# Allegro board 1103400-C000PC024-HI3521DV200-CORE-A01-pcb166.brd (continued)
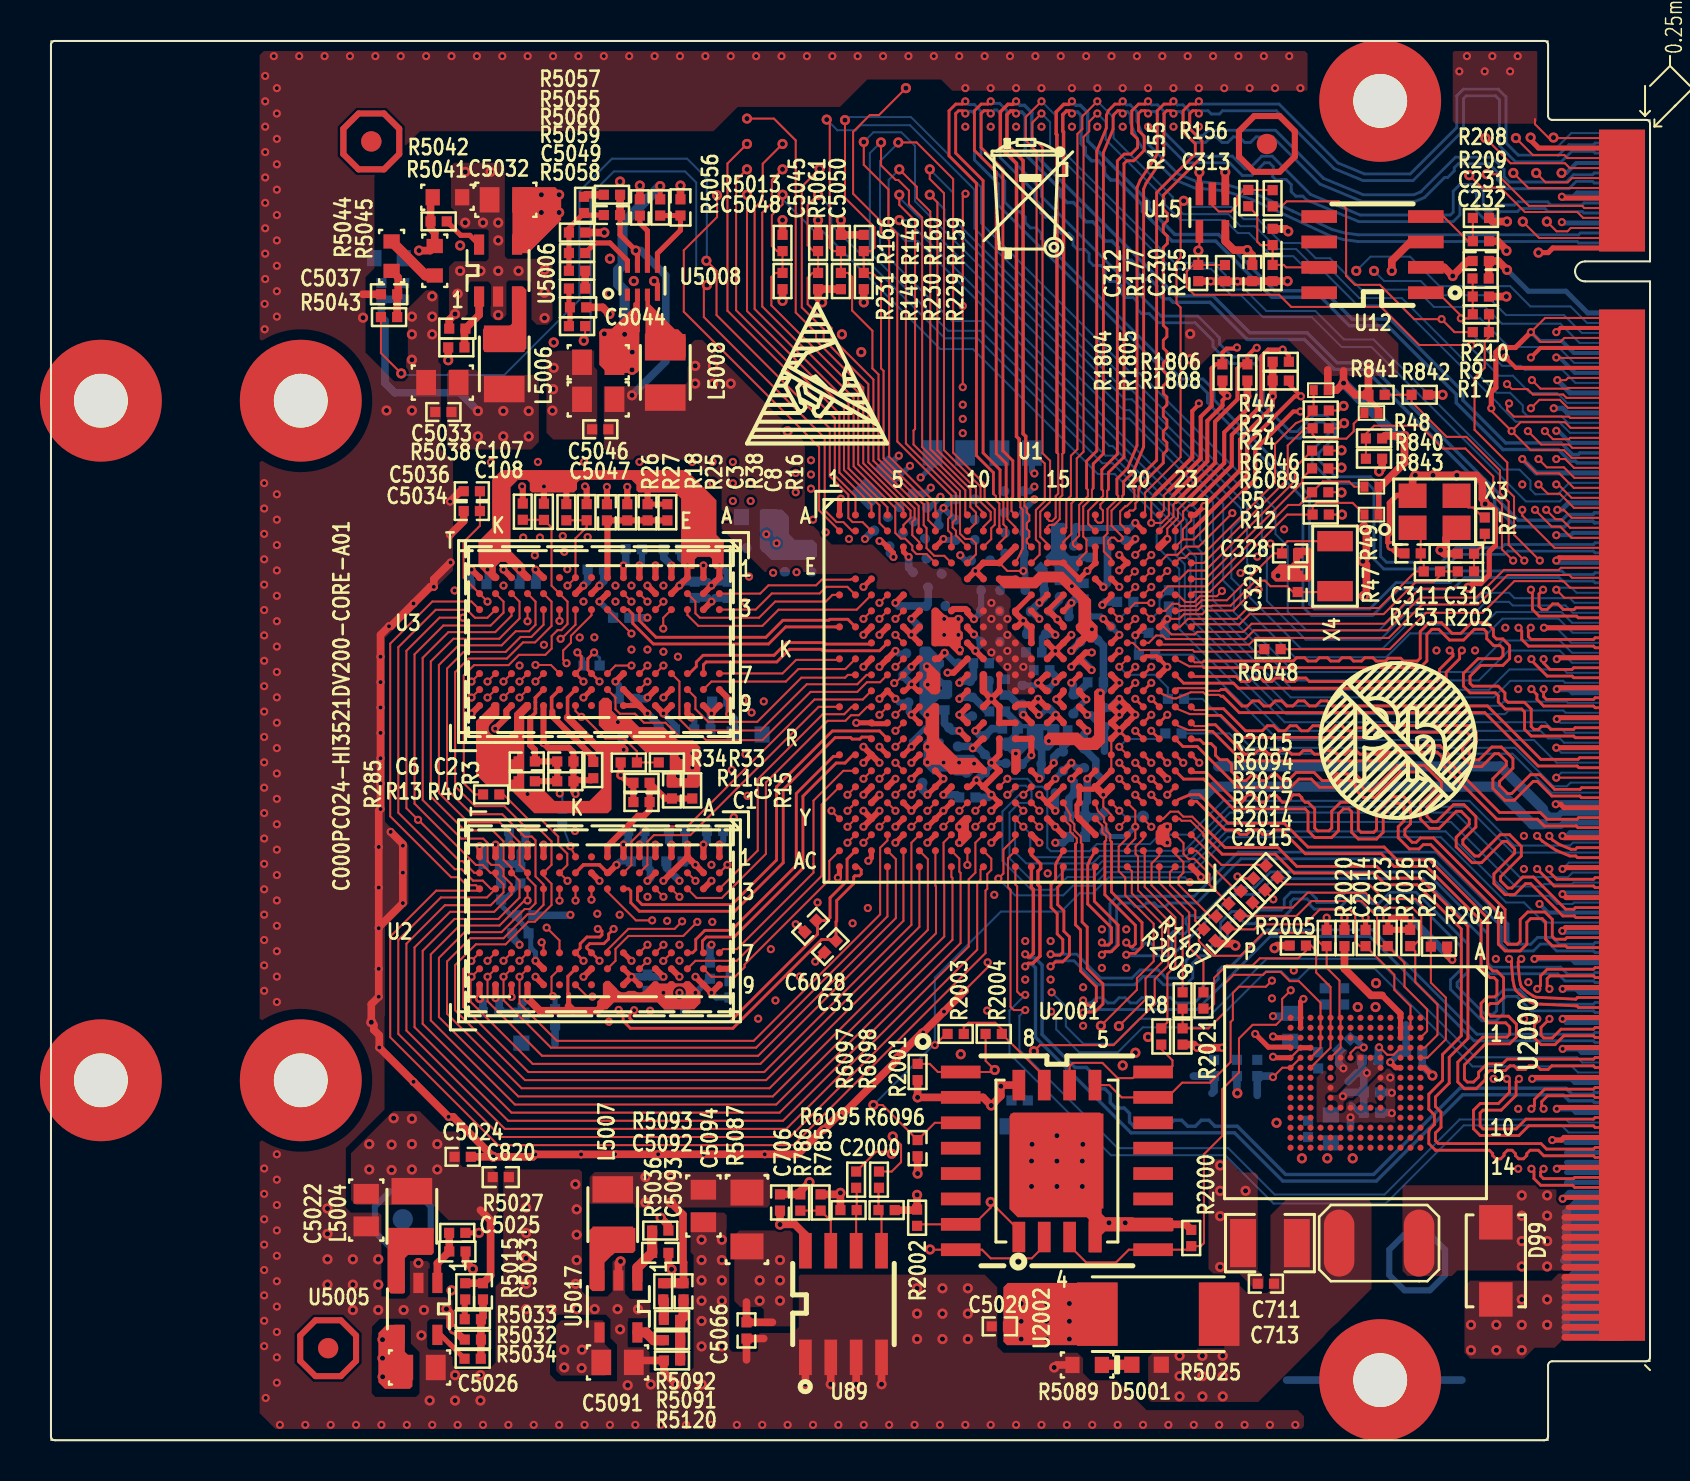
[diagram p0: board, top side]
## Routing (per net, layer and track width the routed paths; a pad name or vN(x,y) marks a point on that pad's centre or on a via; arc(x,y) is an arc through that point) (continued)
  GND02 w0.381: v2(16.79,51.52) 16.3,52.01 U102.G2 ; U102.G1 12.5,14.08 ; U102.G1 12.5,22.49 ; U102.G1 U102.G5 ; U102.G1 17.08,18.01 ; U102.G3 62.05,3.01 ; U102.G3 70.63,3.01 ; U102.G3 66.5,7.33 ; U102.G2 12.5,47.79 ; U102.G2 12.5,56.37
  GND02 w0.508: U102.G2 U102.G6 ; 62.54,67.01 U102.G4 ; U102.G4 70.27,67.01 ; U102.G4 66.5,63.05
  ART03 w0.102: v1(74.04,55.44) 74.04,55.45 73.09,56.4 71.65,56.4 71.01,57.04 61.73,57.04 59.85,55.16 59.85,53.59 58.85,52.59 v1(58.85,52.26) ; v1(75.18,51.63) 75.36,51.81 v1(75.36,53.04) 75.34,53.04 74.61,53.77 73.43,53.77 ; 61.05,53.97 61.05,54.76 62.39,56.1 68.99,56.1 69.79,55.3 71.22,55.3 71.77,54.76 72.85,54.76 73.43,54.18 73.43,53.77 ; 61.05,53.97 59.85,52.78 v1(59.85,52.23) 58.88,52.23 v1(58.85,52.26) ; 61.05,53.97 62.04,53.97 63.23,55.16 68.37,55.16 69.76,53.77 73.43,53.77 ; v1(58.85,52.26) 58.47,51.88 v1(57.43,51.88) 58.91,53.36 58.91,55.58 61.32,57.99 v2(61.87,57.99) 69.16,57.99 69.93,58.76 72.64,58.76 v2(72.85,58.56) ; 69.85,52.54 v2(69.62,52.31) 67.84,54.09 63.73,54.09 62.03,52.38 62.03,51.95 v1(62.51,51.47) 63.19,51.47 63.98,52.26 68.27,52.26 69.15,51.38 71.81,51.38 v1(72.06,51.63) 72.31,51.38 73.79,51.38 v1(74.04,51.63) 74.04,51.7 73.33,52.41 72.71,52.41 72.58,52.54 69.85,52.54
  BOTTOM w0.102: v1(75.62,28.58) 75.94,28.9 U102.135 ; v2(74.03,65.18) 74.52,64.68 75.34,64.68 76.06,65.4 U102.1 ; v1(75.34,36.08) 75.52,35.9 U102.107 ; U102.91 76.06,39.9 75.31,40.65 v1(74.69,40.65) ; v1(75.31,34.65) 75.56,34.4 U102.113 ; v1(75.31,42.55) 75.41,42.66 76.07,42.66 76.33,42.4 U102.81 ; U102.117 75.56,33.4 v1(75.31,33.15)
  BOTTOM w0.203: v1(75.31,50.5) 75.41,50.5 76.02,49.9 U102.51 ; U102.69 76.15,45.4 76.03,45.28 v1(75.31,45.28) ; v1(75.62,25.49) 75.7,25.4 U102.149 ; U102.75 75.42,43.9 v1(75.31,44.01) ; v1(75.62,27.32) 75.7,27.4 U102.141 ; v1(74.47,26.83) 74.9,26.4 U102.145 ; v1(75.31,54.17) 75.48,54.17 76.25,53.4 U102.37 ; U102.33 76.19,54.4 75.59,55 74.48,55 v1(74.04,55.44) ; U102.7 76.31,63.9 75.82,63.4 v2(75.58,63.4)
  BOTTOM w0.254: v1(75.34,37.58) 75.37,37.55 75.97,37.55 76.12,37.4 U102.101 ; U102.129 76.01,30.4 75.85,30.24 v1(75.62,30.24) ; U102.167 75.81,20.9 v1(75.63,21.08) ; U102.197 75.82,13.4 ; U102.185 76.29,16.4 76.11,16.58 v1(75.34,16.58) ; C882.2 49.54,36.29 v1(49.42,36.29) ; U102.193 75.82,14.4 ; U102.173 76.59,19.4 76.41,19.58 v1(75.63,19.58) ; C815.2 42.7,48.48 v1(42.98,48.75) ; C881.2 47.05,33.99 v1(47.05,33.89) 47.05,33.72 C834.2 ; v1(45.45,36.29) 45.51,36.24 C887.2 ; U102.161 76.49,22.4 76.31,22.58 v1(75.63,22.58) ; v1(75.18,51.63) 75.63,51.63 75.86,51.4 U102.45 ; C813.2 44.11,48.77 v1(43.51,48.17) ; U102.57 74.3,48.4 v1(73.61,49.09) ; v1(46.25,39.49) 46.53,39.78 C845.2 46.53,39.96 v1(46.18,40.32) ; U102.155 76.26,23.9 76.08,24.08 v1(74.22,24.08) ; v1(53.45,40.29) 53.04,40.7 C825.2 52.65,41.09 v1(52.65,41.09) ; v1(43.05,34.69) 43.05,34.96 43.74,35.64 C879.2 ; U102.19 75.63,60.9 v1(75.59,60.94) ; v1(54.25,30.69) 53.77,30.21 52.97,30.21 C885.2 ; v1(74.11,18.08) 76.06,18.08 76.24,17.9 U102.179 ; v1(75.29,31.82) 75.36,31.9 U102.123 ; U102.25 76.88,56.4 75.79,57.49 73.91,57.49 v2(72.85,58.56) ; U102.191 75.81,14.9 75.69,15.02 v1(75.11,15.02) ; U102.13 76.36,62.4 76.17,62.21 v1(75.59,62.21) ; U102.201 75.95,12.4 v1(75.63,12.08) ; U102.195 75.82,13.9 ; U102.41 76,52.4 v1(75.36,53.04) ; v1(75.36,46.55) 75.57,46.55 75.92,46.9 U102.63 ; U102.199 75.82,12.9
  BOTTOM w0.305: v1(49.38,37.89) 49.26,37.77 C808.2 ; v1(51.8,37.07) 51.15,36.42 C883.2 ; v1(52.65,41.09) 52.53,41.22 C811.2 ; v1(44.71,39.4) 45.24,38.86 C862.2 ; v1(46.18,41.08) 46.52,41.43 C847.2 46.54,41.5 C846.2 ; C823.2 51.18,45.53 C824.2 54,45.64 v1(54.25,45.89) ; C113.2 33.28,22.15 v1(33.04,22.39) ; v1(47.05,33.89) 47.07,33.88 C858.2 ; v1(49.05,34.27) 48.6,33.83 C807.2 ; C844.2 44.4,46.39 v1(44.65,46.64) ; v1(42.25,39.49) 42.37,39.37 C851.2 ; v1(50.25,33.09) 50.25,33.11 C809.2 51.03,33.89 v1(51.05,33.89) 51.29,33.65 C802.2 ; v1(31.44,22.39) 31.73,22.1 C16.2 ; C875.2 45.75,44.02 v1(45.49,44.28) ; C829.2 45.08,47.08 v1(44.65,46.64) ; v1(44.02,47.66) 43.71,47.36 C843.2 ; v1(42.25,37.09) 42.43,36.92 C836.2 42.92,36.43 v1(43.05,36.29) ; C6030.2 43.94,46.65 v1(44.5,47.2) ; v1(42.42,49.26) 41.96,48.81 C815.2 ; C868.2 48.97,47.48 v1(49.2,47.71) ; C871.2 48.68,45.39 C830.2 ; C870.2 44.7,45.04 v1(44.65,45.09) ; v1(49.2,47.08) 48.66,46.54 C869.2 ; C814.2 48.82,40.83 v1(48.64,41) ; C826.2 50.47,41.99 C6016.2 49.95,41.47 v1(50.35,41.07) ; v1(55.85,41.09) 55.93,41.18 C6008.2 ; v1(44.65,46.64) 45.24,46.06 C828.2 ; v1(48.65,43.49) 48.75,43.4 C806.2 ; C810.2 49.08,48.49 v1(49.2,48.37)
  BOTTOM w0.343: U102.221 75.74,7.4 ; U102.217 76.24,8.4 75.74,7.9 U102.219 ; U102.227 75.74,5.9 ; U102.225 75.74,6.4 ; U102.223 75.74,6.9 ; U102.229 75.74,5.4
  BOTTOM w0.381: v1(43.85,32.29) 43.61,32.53 C874.2 ; v1(52.6,41.79) 52.75,41.94 R834.2 ; C99.2 29.82,28.71 30,28.53 30,28.14 v1(29.84,27.99) ; C22.2 28.88,30.04 v1(28.64,29.8) ; v1(43.05,37.82) 42.63,38.23 C835.2 42.63,38.28 v1(43.05,38.69) ; C801.2 50.25,31.5 v1(50.25,31.49) ; v1(30.64,23.19) 29.95,23.19 C98.2 29.74,23.19 v1(29.04,23.19) ; C23.2 55.73,40.97 v1(55.85,41.09) ; v1(29.84,36.36) 30.41,35.79 C20.2 30.08,35.23 C10.2 ; 61.82,3.01 U102.G3 70.59,3.01 ; C830.2 48.68,43.52 v1(48.65,43.49) ; C116.2 30.79,28.64 v1(31.44,27.99) ; R2019.2 64.43,18.84 v1(64.66,18.61) ; R6.1 46.92,32.16 v1(47.05,32.29) ; C871.2 48.68,46.39 C869.2 ; C100.2 21.65,29.53 v1(21.44,29.73) ; v1(21.04,43.56) 20.98,43.5 C96.2 ; C21.2 33.22,42.14 v1(33.04,41.96) 32.86,42.14 C9.2 ; C13.2 29.83,41.15 v1(29.84,41.16) ; v1(43.05,40.29) 43.4,40.64 C816.2 43.4,40.75 v1(43.05,41.09) ; v1(61.14,18.17) 61.09,18.22 C2012.2 60.35,17.26 ; v1(28.64,43.77) 28.76,43.88 C18.2 ; C97.2 30.66,44.15 v1(31.04,43.77) ; v1(33.04,24.79) 32.97,24.72 C112.2 ; v1(46.3,33.03) 46.69,33.41 C834.2 ; C863.2 46.03,34.71 v1(46.12,34.62) 46.41,34.62 C881.2 ; v1(50.27,36.29) 49.95,36.62 C882.2 ; v1(67.08,17.38) 67.06,17.41 C2007.2 ; R39.2 25.97,26.27 v1(25.99,26.29) ; C19.2 21.61,21.93 v3(21.44,22.1) ; v1(47.05,37.09) 46.93,37.21 C800.2 ; C2013.2 68.6,18.75 v2(69.11,18.25) ; R4.1 25.22,19.82 ; C15.2 32.82,29.98 v1(32.64,29.8) ; C14.2 30.92,29.92 v1(31.04,29.8) ; v1(66.45,19.66) 66.41,19.62 C2004.2 ; v1(61.14,21.22) 61.86,21.22 C2008.2 ; v1(42.15,44.19) 41.96,44.38 C6029.2 ; C842.2 41.15,45.52 v1(40.72,45.09) ; C818.2 43.89,41.83 C817.2 42.4,41.74 v1(42.25,41.89) ; v1(27.44,42.76) 27.66,42.98 C115.2 ; C804.2 54.17,45.02 v1(54.25,45.09) ; C4.2 23.08,25.15 v1(23.44,24.79) ; C114.2 22.92,29.93 v1(23.04,29.8) ; C2011.2 59.33,17.38 v2(59.35,17.36) ; C2006.2 67.06,16.39 v1(67.08,16.37) ; C803.2 51.59,39.01 v1(52.06,38.53) ; v1(29.84,37.16) 29.78,37.1 C12.2 ; C11.2 33.08,36.39 v1(33.04,36.36) 33,36.31 C101.2 ; v1(42.91,44.19) 42.91,43.66 C848.2 ; C884.2 53,36.65 v1(53.45,37.09) ; v1(24.24,43.56) 24.26,43.54 C17.2 ; 65.02,15.61 v1(65.02,16.15)
  vias: v1(10.69,56.85) v1(10.69,55.58) v1(10.67,47.89) v1(10.67,46.62) v1(10.67,45.35) v1(10.67,44.08) v1(10.67,42.81) v1(10.67,41.54) v1(10.67,40.27) v1(10.67,39) v1(10.67,37.73) v1(10.67,36.46) v1(10.67,35.19) v1(10.67,33.92) v1(10.67,32.65) v1(10.67,31.38) v1(10.67,30.11) v1(10.67,28.84) v1(10.67,27.57) v1(10.67,26.3) v1(10.67,25.03) v1(10.67,23.76) v1(10.67,22.49) v1(10.67,13.6) v1(10.67,12.33) v1(10.67,11.06) v1(10.67,9.79) v1(10.67,8.52) v1(10.67,7.25) v1(10.67,5.98) v1(10.67,4.71) v1(10.72,68.26) v1(10.72,66.99) v1(10.72,65.72) v1(10.72,64.45) v1(10.72,63.18) v1(10.72,61.91) v1(10.72,60.64) v1(10.72,59.37) v1(10.72,58.1) v1(10.74,2.12) v1(11.15,69.25) v1(11.3,67.65) v1(11.3,66.38) v1(11.3,65.11) v1(11.3,63.84) v1(11.3,62.57) v1(11.3,61.3) v1(11.3,60.03) v1(11.3,58.76) v1(11.3,57.49) v1(11.3,56.22) v1(11.3,47.33) v1(11.3,46.06) v1(11.3,44.79) v1(11.3,43.52) v1(11.3,42.25) v1(11.3,40.98) v1(11.3,39.71) v1(11.3,38.44) v1(11.3,37.17) v1(11.3,35.9) v1(11.3,34.63) v1(11.3,33.36) v1(11.3,32.09) v1(11.3,30.82) v1(11.3,29.55) v1(11.3,28.28) v1(11.3,27.01) v1(11.3,25.74) v1(11.3,24.47) v1(11.3,23.2) v1(11.3,21.93) v1(11.3,14.31) v1(11.3,13.04) v1(11.3,11.77) v1(11.3,10.5) v1(11.3,9.23) v1(11.3,7.96) v1(11.3,6.69) v1(11.3,5.42) v1(11.3,4.15) v1(11.3,2.88) v1(11.45,0.77) v1(12.42,69.25) v1(12.72,0.77) v1(13.69,69.25) v1(13.99,0.77) v1(14.96,69.25) v1(15.26,0.77) v1(16.23,69.25) v1(16.53,0.77) v1(17.5,69.25) v1(17.8,0.77) v1(18.77,69.25) v1(19.07,0.77) v1(20.04,69.25) v1(20.19,42.51) v1(20.34,0.77) v1(21.31,69.25) v1(21.61,0.77) v1(22.01,48.94) v1(22.58,69.25) v1(22.64,42.76) v1(22.88,0.77) v1(23.44,38.76) v1(23.63,45.16) v1(23.85,69.25) v1(24.21,44.27) v1(24.15,0.77) v1(24.36,48.95) v1(24.46,45.16) v1(24.66,39.8) v1(25.12,69.25) v1(25.42,0.77) v1(25.61,45.24) v1(25.68,44.45) v1(25.83,43.58) v1(26.22,30.48) v1(26.39,69.25) v1(26.45,40.16) v1(26.67,48.95) v1(26.64,41.96) v1(26.69,0.77) v1(26.85,45.19) v1(27.19,40.17) v1(27.33,26.34) v1(27.66,69.25) v1(27.91,20.94) v1(27.96,0.77) v1(28.24,42.76) v1(28.24,41.96) v1(28.45,26.29) v1(28.93,69.25) v1(29.04,42.76) v1(29.04,39.56) v1(29.23,0.77) v1(29.44,48.95) v1(29.84,39.56) v1(29.84,27.19) v1(29.98,21.49) v1(30.2,69.25) v1(30.5,0.77) v1(30.64,42.76) v1(30.64,39.45) v1(30.83,25.99) v1(31.37,39.2) v1(31.47,69.25) v1(31.44,24.79) v1(31.44,23.99) v1(31.77,0.77) v1(32.08,48.95) v1(32.74,69.25) v1(33.1,48.95) v1(33.1,47.88) v1(33.04,28.79) v1(33.09,25.94) v1(33.04,0.77) v1(33.81,46.2) v1(34.01,69.25) v1(34.06,33.54) v1(34.12,48.95) v1(34.12,47.88) v1(34.12,46.99) v1(34.16,31.17) v1(34.31,0.77) v1(34.65,37.02) v1(34.72,41.94) v1(34.75,34.32) v1(34.85,32.24) v1(35.01,47.88) v1(35.01,46.99) v1(34.92,43.21) v1(35.05,36.41) v1(35.28,69.25) v1(35.38,21.09) v1(35.58,0.77) v1(35.66,36.97) v1(36.02,24.57) v1(36.13,43.4) v1(36.25,22.01) v1(36.55,69.25) v1(36.85,0.77) v1(37.26,48.4) v1(37.26,47.43) v1(37.3,43.43) v1(37.46,23.2) v1(37.82,69.25) v1(38.12,46.06) v1(38.12,0.77) v1(38.35,26.91) v1(38.76,45.42) v1(39.09,69.25) v1(39.39,0.77) v1(39.92,45.09) v1(40.11,25.87) v1(40.36,69.25) v1(40.66,0.77) v1(40.87,26.63) v1(41.63,69.25) v1(41.93,0.77) v1(42.9,69.25) v1(43.2,0.77) v1(44.17,69.25) v1(44.47,0.77) v1(45.44,69.25) v1(45.45,30.69) v1(45.45,29.89) v1(45.74,67.65) v1(45.74,65.72) v1(45.74,0.77) v1(46.71,69.25) v1(46.84,21.5) v1(47.01,67.65) v1(47.01,65.72) v1(47.01,0.77) v1(47.19,27.29) v1(47.98,69.25) v1(48.28,67.65) v1(48.28,65.72) v1(48.28,0.77) v1(48.74,24.98) v1(48.74,23.05) v1(49.25,69.25) v1(49.55,67.65) v1(49.55,65.72) v1(49.55,0.77) v1(49.87,28.36) v1(50.01,24.98) v1(50.01,23.05) v1(50.52,69.25) v1(50.82,0.77) v1(51.08,67.65) v1(51.08,65.72) v1(51.64,22.67) v1(51.64,20.74) v1(51.79,69.25) v1(52.09,0.77) v1(52.35,67.65) v1(52.35,65.72) v1(52.58,25.56) v1(52.58,23.63) v1(53.06,69.25) v1(53.36,0.77) v1(53.62,67.65) v1(53.62,65.72) v1(53.8,25.56) v1(53.8,23.63) v1(54.33,69.25) v1(54.63,0.77) v1(54.89,67.65) v1(54.89,65.72) v1(55.6,69.25) v1(55.85,30.71) v1(55.85,29.89) v1(55.9,0.77) v1(56.16,67.65) v1(56.16,65.72) v1(56.87,69.25) v1(57.17,0.77) v1(57.43,67.65) v1(57.43,65.72) v1(58.14,69.25) v1(58.44,0.77) v1(58.7,67.65) v1(59.41,69.25) v1(59.51,43.39) v1(59.71,0.77) v1(59.97,67.65) v1(60.35,44.2) v1(60.68,69.25) v1(61.01,44.87) v1(60.98,0.77) v1(61.09,22.11) v1(61.24,67.65) v1(61.7,45.58) v1(61.95,69.25) v1(62.18,23.5) v1(62.25,0.77) v1(62.51,67.65) v1(67,18.14) v1(69.32,39.51) v1(71.25,39.51) v1(72.17,18.08) v1(72.29,24.08) v1(72.76,40.65) v1(73.41,39.08) v1(73.41,37.58) v1(73.41,16.58) v1(73.41,13.58) v1(73.61,47.82) v1(73.69,30.24) v1(73.69,28.58) v1(73.7,21.08) v1(73.91,22.92) v2(13.83,11.6) v2(13.83,10.33) v2(13.83,9.06) v2(13.83,7.79) v2(15.1,9.06) v2(15.1,7.79) v2(15.1,6.52) v2(15.62,56.16) v2(16.37,9.06) v2(16.37,7.79) v2(16.37,6.52) v2(17.64,6.52) v2(18.06,56.22) v2(18.06,55.33) v2(18.06,54.06) v2(18.06,51.52) v2(18.38,8.87) v2(18.53,5.25) v2(18.66,6.52) v2(18.95,1.99) v2(19.07,57.24) v2(19.07,56.22) v2(19.07,55.33) v2(20.04,7.5) v2(20.22,3.26) v2(20.22,1.99) v2(20.34,57.36) v2(20.47,59.78) v2(20.47,58.51) v2(20.73,63.46) v2(20.73,60.92) v2(21.49,58.51) v2(21.49,3.26) v2(21.49,1.99) v2(21.61,60.92) v2(22,63.46) v2(22.38,60.92) v2(22.38,60.03) v2(22.38,58.51) v2(22.38,56.3) v2(23.39,58.51) v2(23.77,11.64) v2(23.77,10.37) v2(23.77,9.1) v2(23.77,7.83) v2(23.77,6.56) v2(24.7,58.56) v2(24.7,57.42) v2(24.7,56.15) v2(25.09,51.52) v2(25.04,6.56) v2(25.15,54.93) v2(25.15,53.66) v2(25.12,52.59) v2(26.24,12.81) v2(26.3,11.55) v2(26.3,10.28) v2(26.3,9.01) v2(26.25,7.82) v2(26.31,6.56) v2(27.2,6.56) v2(27.96,59.11) v2(27.94,57.36) v2(28.35,6.56) v2(28.47,62.98) v2(28.47,5.55) v2(28.85,2.75) v2(29.16,58) v2(29.37,6.55) v2(30.01,2.79) v2(32.55,10.03) v2(32.55,9.02) v2(32.55,8) v2(32.55,6.98) v2(32.55,5.97) v2(32.55,4.7) v2(32.55,2.79) v2(33.57,10.03) v2(33.57,9.02) v2(33.57,8) v2(33.57,6.98) v2(33.57,4.7) v2(36.85,50.48) v2(39.57,55.33) v2(40.54,54.44) v2(43.33,7.6) v2(43.33,6.33) v2(43.33,5.06) v2(44.6,7.6) v2(44.6,6.33) v2(44.6,5.06) v2(45.52,19.31) v2(45.87,7.6) v2(45.87,6.33) v2(45.87,5.06) v2(49.08,14.81) v2(49.06,13.97) v2(49.06,12.7) v2(50.33,15.24) v2(50.33,13.97) v2(50.33,12.7) v2(51.6,13.97) v2(51.6,12.7) v2(51.62,14.81) v2(52.93,10.88) v2(53.75,10.88) v2(58.5,13.75) v2(58.5,12.48) v2(58.5,11.21) v2(58.5,8.67) v2(59.77,12.48) v2(61.39,43.25) v2(61.32,15.88) v2(62.59,14.11) v2(63.86,14.11) v2(65.13,14.11) v2(66.29,22.87) v2(71.04,5.77) v2(71.04,4.5) v2(72.31,5.77) v2(72.31,4.5) v2(73.58,7.04) v2(73.58,5.77) v2(73.58,4.5) v2(74.85,7.04) v2(74.85,5.77)
VBAT: length 25.6
  BOTTOM w0.102: R2.2 57.12,39.3 61.39,35.04 74.19,35.04 75.33,33.9 U102.115
VCCQ_EMMC: length 16.6
  TOP w0.102: U2000.P5 62.02,19.14 U2000.N4
  TOP w0.254: v1(65.77,26.15) R2023.1 ; v1(67,18.91) 67.28,18.64 U2000.C6 ; R2026.1 66.88,26.07 v1(66.8,26.15) ; U2000.P3 61.2,20.14 v1(61.14,20.2) ; v1(61.14,19.19) 61.19,19.14 U2000.P5 ; U2000.M4 U2000.N4 ; v1(63.82,26.15) R2020.1 ; v1(68,26.15) R2025.1
  TOP w0.305: v1(66.8,26.15) v1(68,26.15) ; R2025.1 R2026.1
  TOP w0.381: v1(58.6,19.64) v1(57.33,19.64) 57.17,19.8 R2021.1 ; R2024.1 69.85,24.3 v1(70.11,24.04)
  BOTTOM w0.305: v1(67,18.91) 67.53,19.44 C2013.1
  BOTTOM w0.381: v1(68,26.15) v1(70.11,24.04) ; C2013.1 67.79,20.79
  vias: v2(65.38,21.68) v2(66.27,21.68)
VDDI: length 6.1
  TOP w0.254: U2000.C1 U2000.C2 U2000.C3
  TOP w0.305: U2000.C1 67.52,21.34 66.6,22.26
  TOP w0.381: C2014.1 64.71,23.59 66.04,22.26 66.6,22.26
VDDIO_CK_DDR: length 2.1
  TOP w0.305: v1(45.45,35.49) U1.R9
  BOTTOM w0.381: LB812.2 44.7,35.86 C879.1 45.07,35.49 v1(45.45,35.49)
VDDIO_DDR: length 71.6
  TOP w0.152: U2.K8 25.86,23.21 25.86,22.34 25.9,22.31
  TOP w0.178: 25.85,36.16 25.85,37.16 U3.K8 ; U2.K2 26.64,28.79 27.43,28.79 27.44,28.79 U2.H2
  TOP w0.254: v1(29.04,23.99) 28.64,24.39 U2.G7 ; R16.1 29.85,46.83 C8.1 ; 25.9,22.31 25.9,21.72
  TOP w0.305: U3.F1 29.44,43.77 v1(29.44,43.77) ; U2.R1 v1(22.24,29.8) ; v1(23.85,22.11) 23.84,22.11 U2.N9 ; v1(31.84,29.8) 31.84,29.8 U2.C1 ; U2.C1 U2.D2 31.04,28.39 31.04,28.39 v1(30.64,27.99) ; U2.C1 31.85,29.19 v1(32.24,28.79) 32.64,28.39 U2.B2 ; U3.B2 v1(33.04,42.76) U3.A1 v1(33.44,43.77) ; v1(27.44,41.96) 27.84,42.36 U3.H2 ; C8.1 v1(29.85,47.7) ; U2.R9 v1(22.24,22.13) ; v1(29.44,29.8) 29.44,29.8 U2.F1 ; R27.1 v1(24.66,47.72) ; U3.D2 v1(31.44,42.76) 31.84,43.16 U3.C1 31.84,43.77 v1(31.84,43.77) ; R18.1 25.79,47.65 ; v1(32.03,36.16) 31.84,36.35 U3.C9 ; U2.H2 27.89,28.39 v1(28.29,28.79) ; v1(33.94,36.33) 33.94,37.07 U3.A8 ; U2.A8 v1(34.01,23.59) ; U3.K2 26.24,42.36 v1(26.64,42.76) ; v1(23.84,29.8) 23.84,29.8 U2.N1 ; U3.G7 v1(28.24,37.96) ; U2.A1 v1(33.44,29.8) ; U3.E9 30.24,36.76 v1(30.64,36.36) U3.D9
  TOP w0.381: R5015.1 C5023.1 22,8.24 22,11.01 21.49,11.52 ; 25.9,21.72 26.12,21.49 ; 26.12,21.49 24.46,21.49 v1(23.85,22.11) ; 26.12,21.49 27.35,21.49 27.58,21.73 ; 27.76,34.6 27.4,34.6 25.85,36.16
  ART03 w0.381: v1(23.84,29.8) v1(23.84,32.33)
  BOTTOM w0.305: v1(28.36,35.93) 28.6,35.69 C10.1 28.6,34.6 v3(28.66,34.55) ; v1(32.24,22.39) 32.94,23.09 C112.1 ; C101.1 32.19,36.01 v1(32.03,36.16) ; C20.1 31.22,35.78 v1(30.64,36.36) ; C22.1 29.7,30.05 v1(29.44,29.8) ; C17.1 23.45,43.55 v1(23.44,43.56) ; C96.1 21.84,42.88 v1(21.84,43.56) ; C99.1 28.46,28.96 v1(28.29,28.79) ; v1(28.24,37.96) 28.41,37.79 C12.1 ; C14.1 31.73,29.91 v1(31.84,29.8) ; v1(33.94,36.33) 33.89,36.38 C11.1 ; C18.1 29.57,43.9 v1(29.44,43.77) ; C116.1 32.08,28.96 v1(32.24,28.79) ; v1(33.44,29.8) 33.63,29.99 C15.1 ; v1(31.84,43.77) 31.47,44.14 C97.1 ; v1(27.44,41.96) 28.12,41.28 C13.1
  BOTTOM w0.381: C98.1 30.55,22.48 v1(30.64,22.39) 30.92,22.12 C16.1 ; v1(22.24,29.8) 22.46,29.58 C100.1 ; v1(31.44,42.76) 31.64,42.95 C9.1 32.85,42.95 v1(33.04,42.76) 33.24,42.95 C21.1 33.86,43.35 v1(33.44,43.77) ; C100.1 23.33,28.83 C7.1 23.49,29.44 v1(23.84,29.8) 23.73,29.91 C114.1 ; C100.1 22.46,27.93 R14.1 ; v1(23.85,22.11) 23.54,21.8 C109.1 23.29,21.27 23.16,21.4 22.44,21.4 C19.1 22.42,21.94 v1(22.24,22.13) ; v1(26.64,42.76) 26.85,42.97 C115.1 ; C113.1 33.94,23.52 v1(34.01,23.59) ; C819.1 34.18,36.09 v1(33.94,36.33)
  vias: v1(35.79,45.33) v1(36.3,44.88) v1(43.82,38.72) v1(43.87,37.8) v1(43.85,36.29) v1(43.85,34.69) v1(43.85,33.92) v1(44.66,33.9) v1(45.43,33.9) v1(46.18,33.85) v2(15.93,14.82) v2(15.93,13.55) v2(17.04,14.79) v2(17.04,13.52) v2(17.14,16.11) v2(18.06,16.09) v2(18.06,14.82) v2(18.06,13.55) v2(19.33,14.82) v2(19.33,13.55) v3(32.08,34.37) v3(32.08,33.66)
VIN_3.3V: length 40.2
  TOP w0.254: U102.204 75.9,11.65
  TOP w0.343: 75.74,8.65 U102.216 ; 75.74,9.65 U102.212 ; 75.74,10.15 U102.210 ; 75.74,11.15 U102.206 ; 75.74,9.15 U102.214 ; 75.74,10.65 U102.208
  BOTTOM w0.254: 75.74,11.4 76.24,11.9 U102.203
  BOTTOM w0.305: U102.211 75.74,9.9 ; U102.215 75.74,8.9 75.64,9 ; 75.74,11.4 U102.205 ; U102.213 75.74,9.4 ; U102.209 75.74,10.4 ; U102.207 75.74,10.9
  vias: v2(73.58,12.25) v2(73.58,11.24) v2(73.58,9.97) v2(73.58,8.7) v2(74.85,12.25) v2(74.85,11.24) v2(74.85,9.97) v2(74.85,8.7)
CVBS: length 28.4
  TOP w0.102: v1(72.95,51.88) 72.85,51.78 72.85,51.55 73.19,51.22 75.95,51.22 76.01,51.15 U102.46
  TOP w0.203: R1808.1 61.93,52.83 v1(62.53,52.23) 62.23,52.23 59.84,49.84 59.84,48.29 U1.B23
  ART03 w0.203: v1(72.95,51.88) 72.93,51.85 72.59,51.85 72.38,52.07 71.36,52.07 71.12,51.82 69.34,51.82 67.56,53.6 64.13,53.6 62.76,52.23 v1(62.53,52.23)
DDR_A0: length 61.1
  TOP w0.102: U3.N3 v1(23.84,40.98) ; U1.AA8 44.66,29.9 44.66,27.97 44.69,27.93 44.69,25.2 36.28,16.8 23.21,16.8 19,21.01 19,24.31 20.45,25.75 22.44,25.75 23.69,27 v1(23.84,27) U2.N3
  ART03 w0.102: v1(23.84,40.97) 23.84,37.78 24.16,37.47 24.16,36.35 23.96,36.15 23.96,32.92 24.26,32.61 24.26,29.59 23.93,29.26 23.93,27.09 v1(23.84,27)
DDR_A1: length 54.4
  TOP w0.102: v1(22.64,23.99) 23.04,24.39 U2.P7 ; U3.P7 23.04,38.36 v1(22.64,37.96) ; U1.Y10 v1(46.25,30.69)
  ART03 w0.102: v1(22.64,37.96) 23.04,37.56 23.04,36.78 22.97,36.71 22.97,34.95 22.48,34.47 22.48,31.96 20.73,30.2 20.73,26.5 22.5,24.72 22.5,24.13 v1(22.64,23.99) 22.64,23.78 23.04,23.38 23.04,23.01 22.65,22.62 22.15,22.62 21.84,22.3 21.84,21.85 21.86,21.83 21.86,21.09 25.96,16.99 34.62,16.99 44.99,27.36 44.99,28.91 46.25,30.17 v1(46.25,30.69)
DDR_A2: length 67.9
  TOP w0.102: U1.AB8 45.44,29.1 45.44,28.45 45.51,28.39 45.51,24.87 36.62,15.99 22.87,15.99 18.19,20.67 18.19,24.66 19.97,26.44 22.18,26.44 23.04,27.3 23.04,27.59 U2.P3 23.04,27.82 22.64,28.22 22.64,28.55 22.41,28.79 22.03,28.79 21.84,28.97 21.84,29.89 21.63,30.1 20.53,30.1 18.6,32.03 18.6,39.14 19.88,40.43 22.23,40.43 23.04,41.25 U3.P3
DDR_A3: length 65.2
  TOP w0.102: U3.N2 24.24,41.96 24.24,40.8 23.92,40.47 23.25,40.47 22.55,39.77 20.39,39.77 19.41,38.79 19.41,32.39 20.88,30.91 22.46,30.91 23.44,29.93 23.44,28.79 U2.N2 23.84,28.14 24.24,27.74 24.24,26.87 23.95,26.58 23.7,26.58 22.54,25.42 20.7,25.42 19.41,24.13 19.41,21.17 23.38,17.2 36.12,17.2 44.28,25.37 44.28,27.71 44.25,27.74 U1.AB7
DDR_A4: length 43.5
  TOP w0.102: v1(22.64,37.16) 23.04,37.56 U3.P8 ; U2.P8 23.04,23.59 v1(22.64,23.19) 22.64,22.02 25.02,19.64 35.28,19.64 41.85,26.21 U1.AC4
  ART03 w0.102: v1(22.64,37.16) 22.64,35.31 22.03,34.7 22.03,32.13 20.38,30.49 20.38,26.31 22.24,24.45 22.24,23.75 22.64,23.35 v1(22.64,23.19)
DDR_A5: length 66.4
  TOP w0.102: U3.P2 23.44,41.96 23.44,41.11 22.43,40.1 20.14,40.1 19,38.97 19,32.21 20.71,30.51 22.1,30.51 22.64,29.96 22.64,29.04 23.04,28.64 U2.P2 23.04,28.39 23.44,27.99 23.44,27.14 22.38,26.08 20.19,26.08 18.6,24.49 18.6,20.84 23.04,16.39 36.45,16.39 45.1,25.04 45.1,28.13 45.05,28.19 U1.AC8
DDR_A6: length 46.1
  TOP w0.102: U1.AB4 42.27,29.07 42.27,26.12 35.38,19.24 24.57,19.24 21.84,21.96 v1(21.84,23.19) 22.24,23.59 U2.R8 ; v1(21.84,37.16) 22.24,37.56 U3.R8
  ART03 w0.102: v1(21.84,37.16) 21.84,36.14 21.09,35.38 21.09,32.44 19.63,30.98 19.63,25.97 21.44,24.16 21.44,23.59 v1(21.84,23.19)
DDR_A7: length 70.6
  TOP w0.102: U3.R2 22.64,41.96 22.64,41.41 22,40.76 19.63,40.76 18.19,39.32 18.19,31.85 21.26,28.78 21.6,28.78 21.99,28.39 U2.R2 22.24,28.21 22.64,27.81 22.64,27.41 22,26.77 19.71,26.77 17.78,24.84 17.78,20.5 22.71,15.58 36.79,15.58 45.92,24.71 45.92,28.07 46.25,28.4 46.25,29.89 U1.AA10
DDR_A8: length 47.6
  TOP w0.102: U1.AB5 42.65,25.99 35.49,18.83 24.1,18.83 20.99,21.94 20.99,23.14 v1(21.04,23.19) 21.44,23.59 U2.T8 ; U3.T8 21.44,37.56 v1(21.04,37.16)
  ART03 w0.102: v1(21.04,37.16) 20.25,36.37 20.25,33.02 18.85,31.63 18.85,25.38 v1(21.04,23.19)
DDR_A9: length 70.6
  TOP w0.102: U3.R3 21.83,41.15 21.21,41.15 20.81,41.55 19.25,41.55 17.38,39.68 17.38,31.4 20.21,28.57 20.54,28.57 21.11,28 21.6,28 22.01,27.59 U2.R3 21.81,27.16 19.51,27.16 17.38,25.03 17.38,20.33 22.54,15.17 36.97,15.17 46.34,24.54 46.34,27.87 46.51,28.04 46.51,28.55 U1.AC10
DDR_A10: length 50
  TOP w0.102: v1(24.8,25.65) 25.44,25 U2.L7 ; U3.L7 25.01,38.79 v1(24.24,38.79) ; U1.Y8 v1(44.65,30.69)
  ART03 w0.102: v1(44.65,30.69) 44.23,30.27 44.23,29.69 43.85,29.32 43.85,27.94 34.12,18.21 26.89,18.21 24.89,20.22 24.89,20.8 24.71,20.97 24.71,22.61 24.91,22.8 24.91,24.58 25,24.67 25,25.45 v1(24.8,25.65) 24.8,26.47 24.67,26.6 24.67,28.81 25.35,29.49 25.35,30.08 25.02,30.41 25.02,35.14 24.85,35.31 24.85,37.9 24.24,38.51 v1(24.24,38.79)
DDR_A11: length 56
  TOP w0.102: U1.Y11 v1(47.05,30.69) ; v1(21.84,23.99) 22.24,24.39 U2.R7 ; v1(21.84,37.96) 22.24,38.36 U3.R7
  ART03 w0.102: v1(21.84,37.96) 22.24,37.56 22.24,36.14 21.57,35.47 21.57,32.26 20.03,30.72 20.03,26.15 21.84,24.34 v1(21.84,23.99) 21.84,23.76 22.23,23.37 22.23,23.03 21.71,22.51 21.25,22.51 21.04,22.29 21.04,21.33 25.78,16.58 34.79,16.58 45.42,27.21 45.42,28.93 46.64,30.15 46.64,30.28 v1(47.05,30.69)
DDR_A12: length 52.5
  TOP w0.102: v1(23.44,37.96) 23.84,38.36 U3.N7 ; U1.W10 v1(46.25,31.49) ; v1(23.44,23.99) 23.84,24.39 U2.N7
  ART03 w0.102: v1(46.25,31.49) 45.85,31.1 45.85,30.43 45.7,30.28 45.29,30.28 44.96,29.95 44.96,29.44 44.5,28.98 44.5,27.44 34.45,17.4 26.56,17.4 24.06,19.89 24.06,20.41 24.24,20.59 24.24,22.41 23.82,22.82 23.82,23.42 23.44,23.8 v1(23.44,23.99) 23.44,24.23 23.06,24.61 23.06,25.28 21.84,26.5 21.84,30.18 23.32,31.66 23.32,33.81 23.63,34.11 23.63,36.45 23.85,36.68 23.85,37.34 23.44,37.75 v1(23.44,37.96)
